# Altium PCB PCB1.PcbDoc (part 1 of 2)
Units mm, origin at the board's own origin, x right, y up, seen from the top; angles counter-clockwise.
Board outline 100 x 100 mm, 2 copper layers (Top Layer, Bottom Layer); 126 components, 105 nets, 401 pads, 405 vias.
Unrouted connection lines stored in the file: 72.
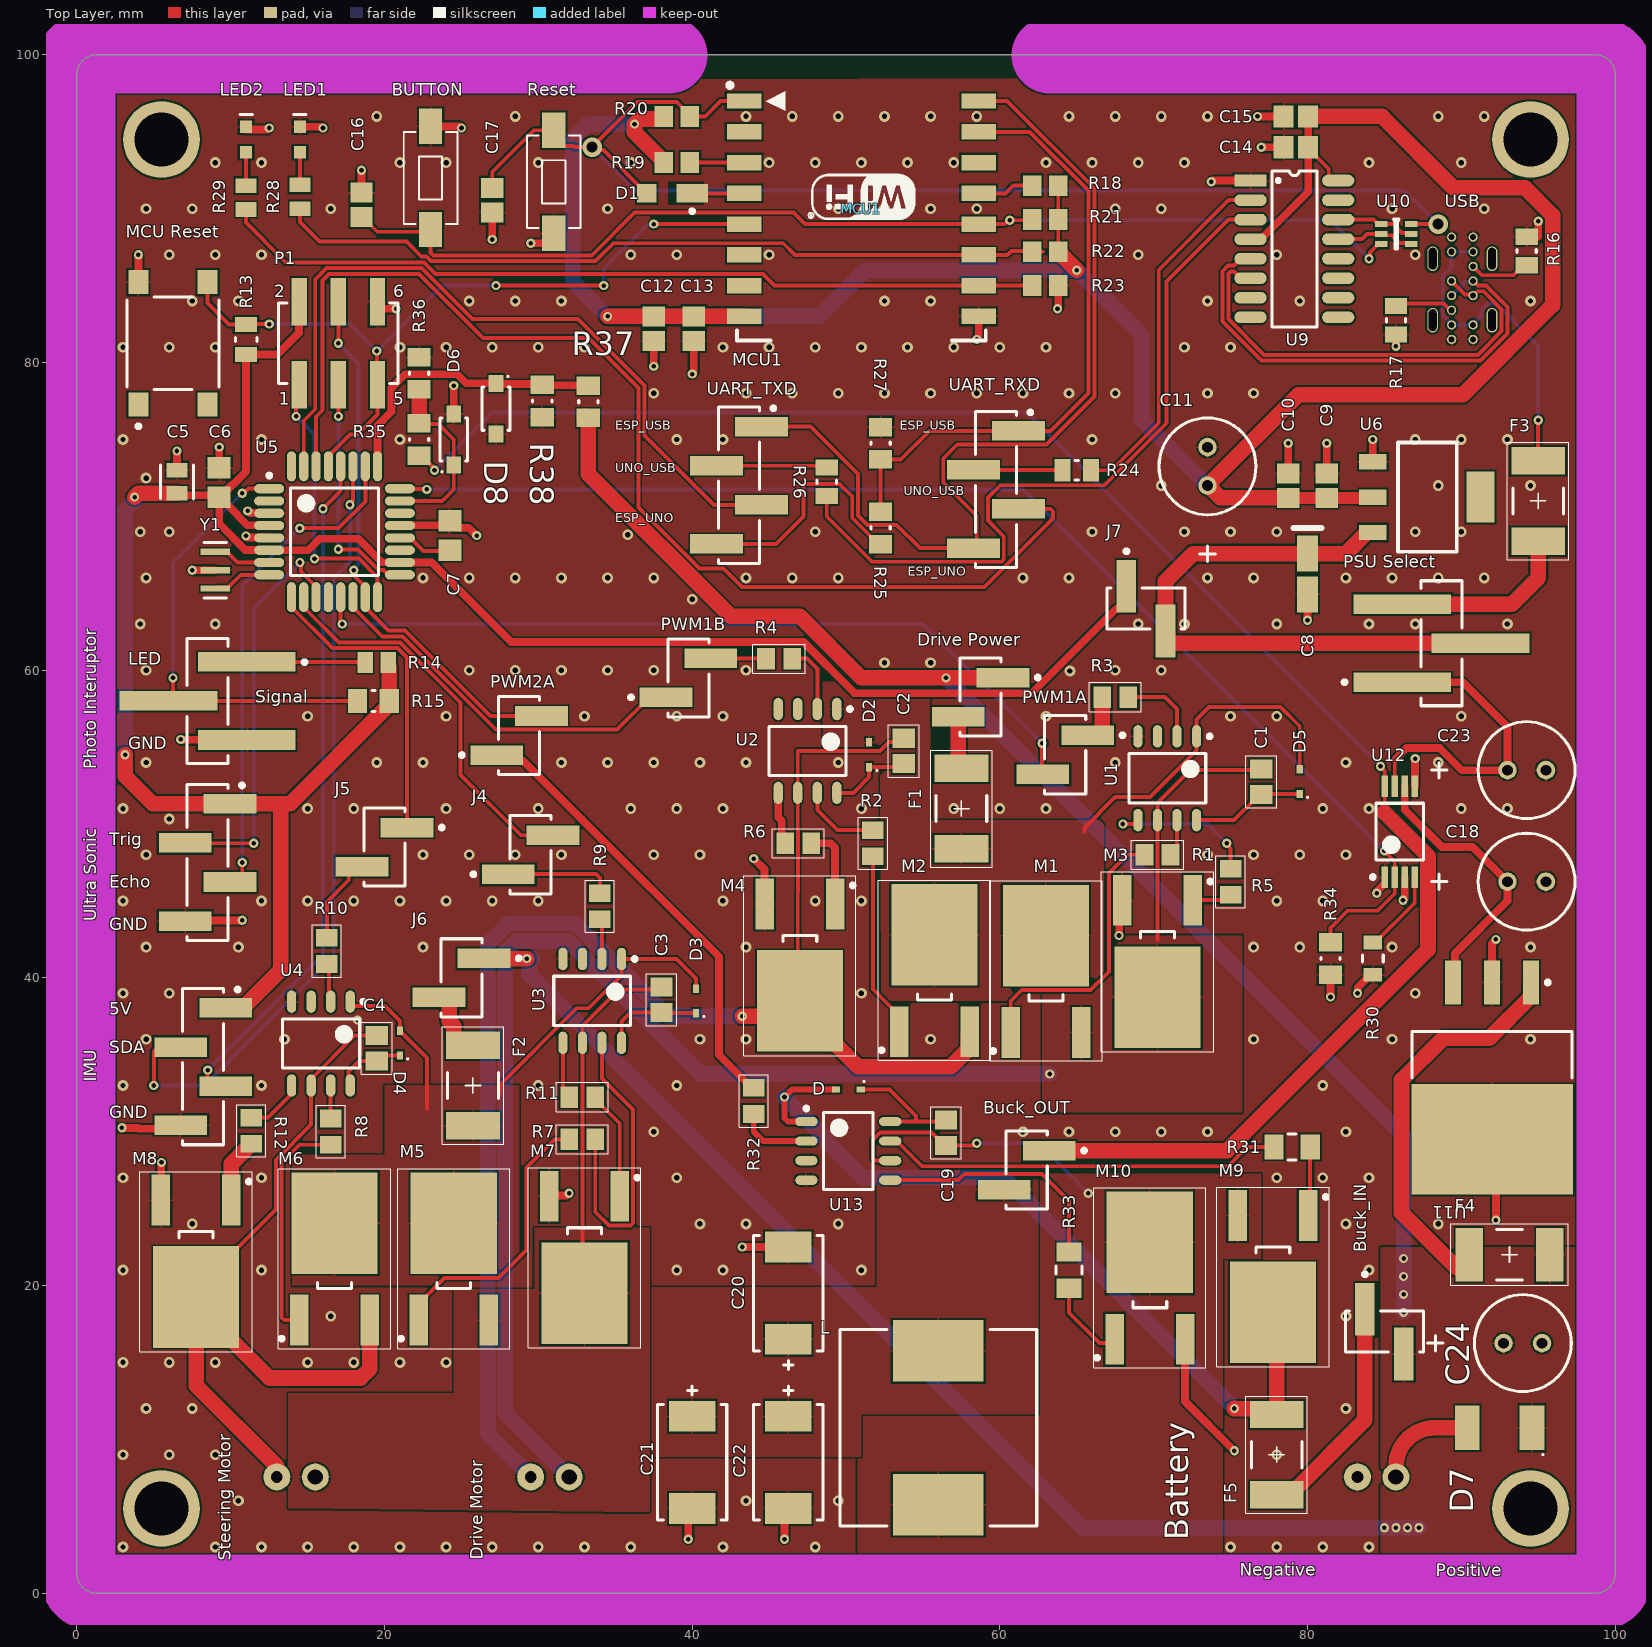
[diagram p0: Top Layer view]
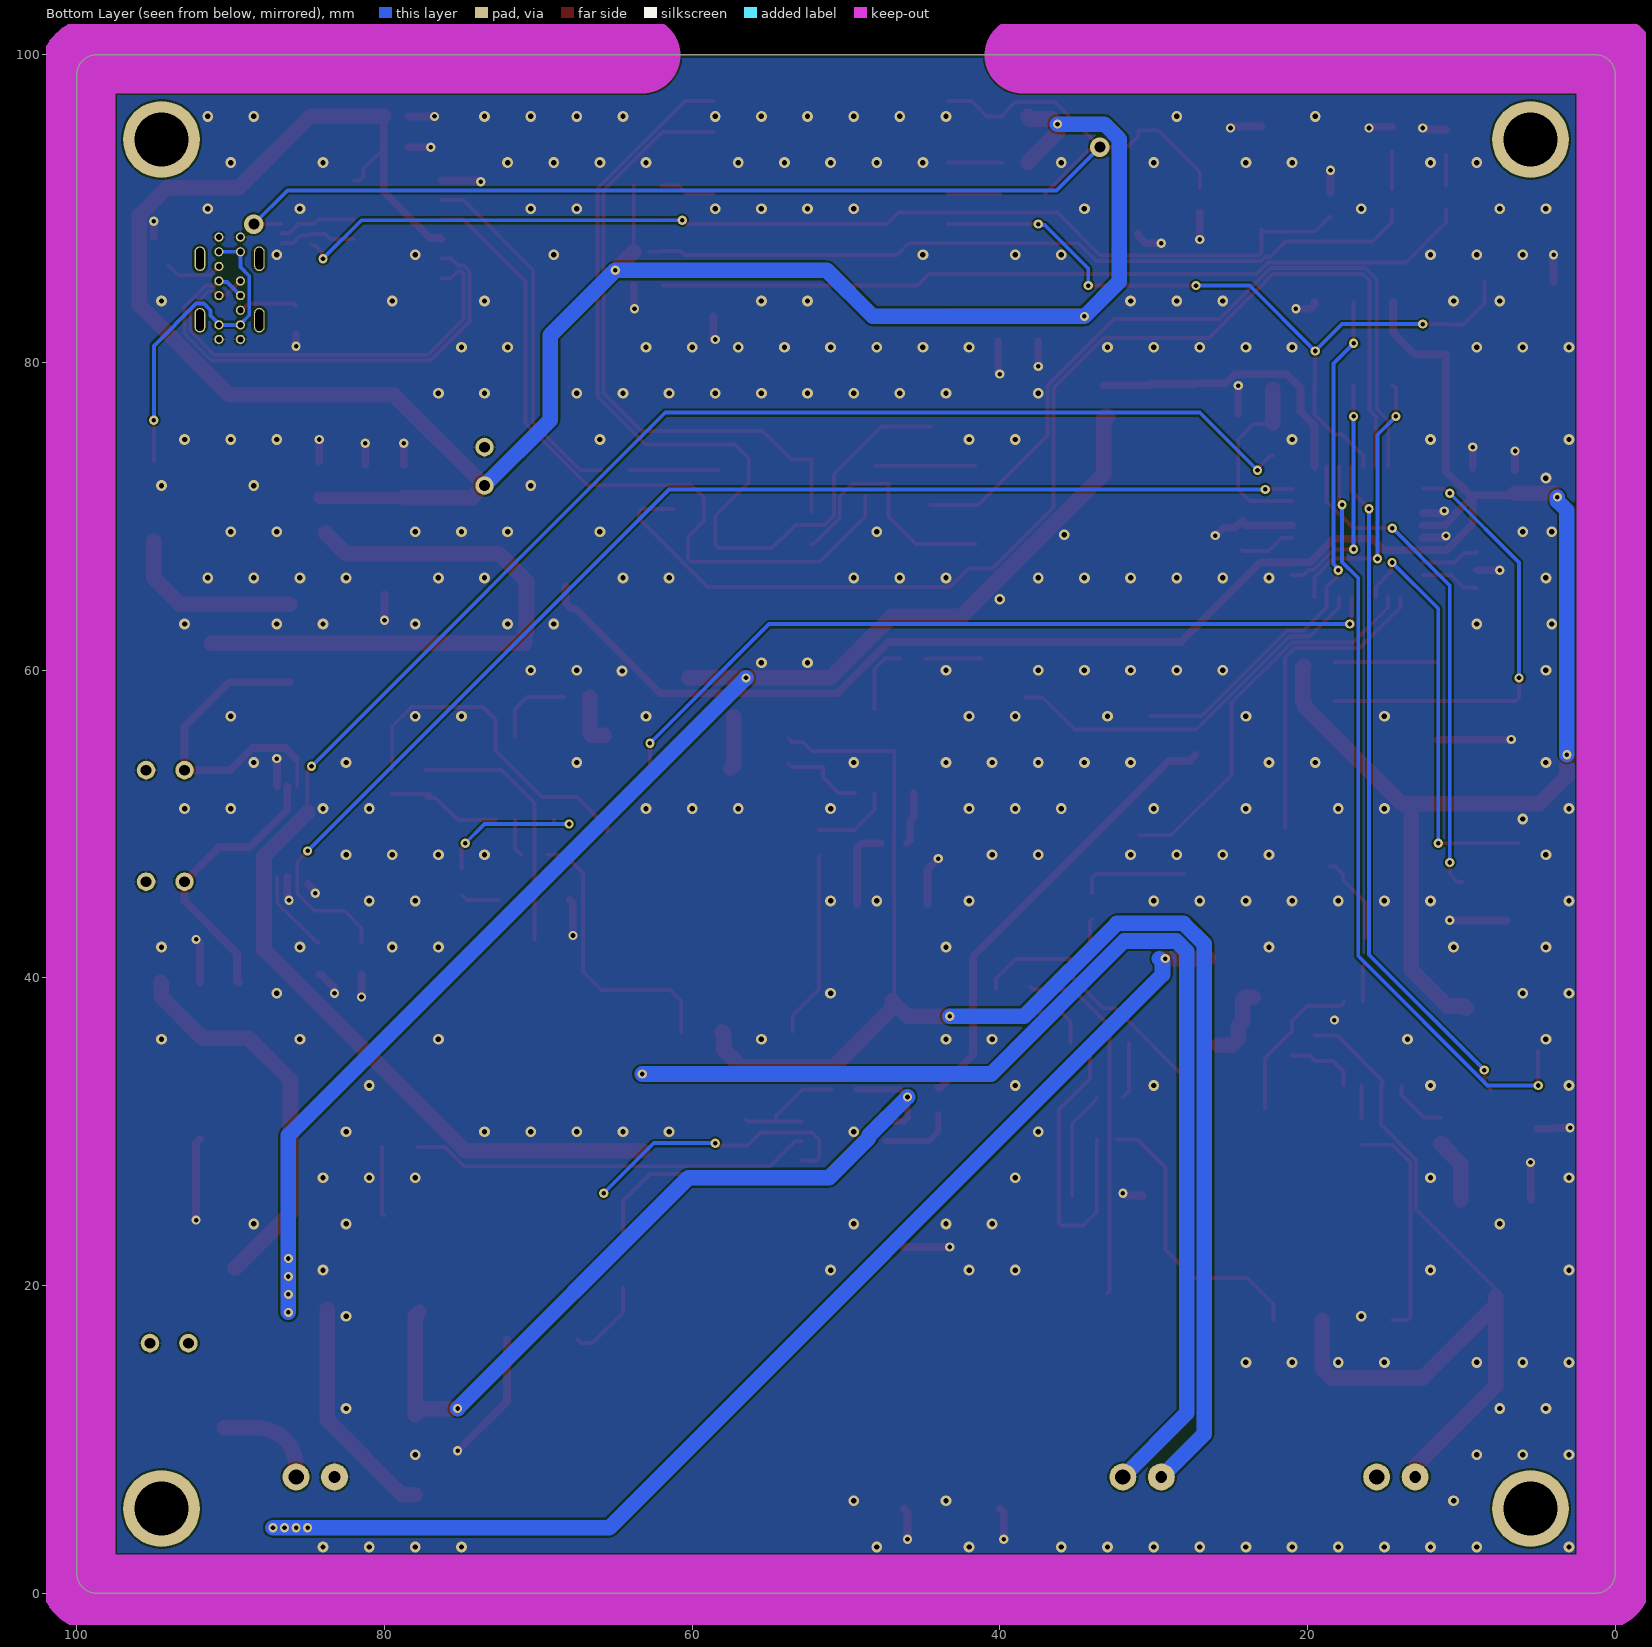
[diagram p1: Bottom Layer view, seen from below]
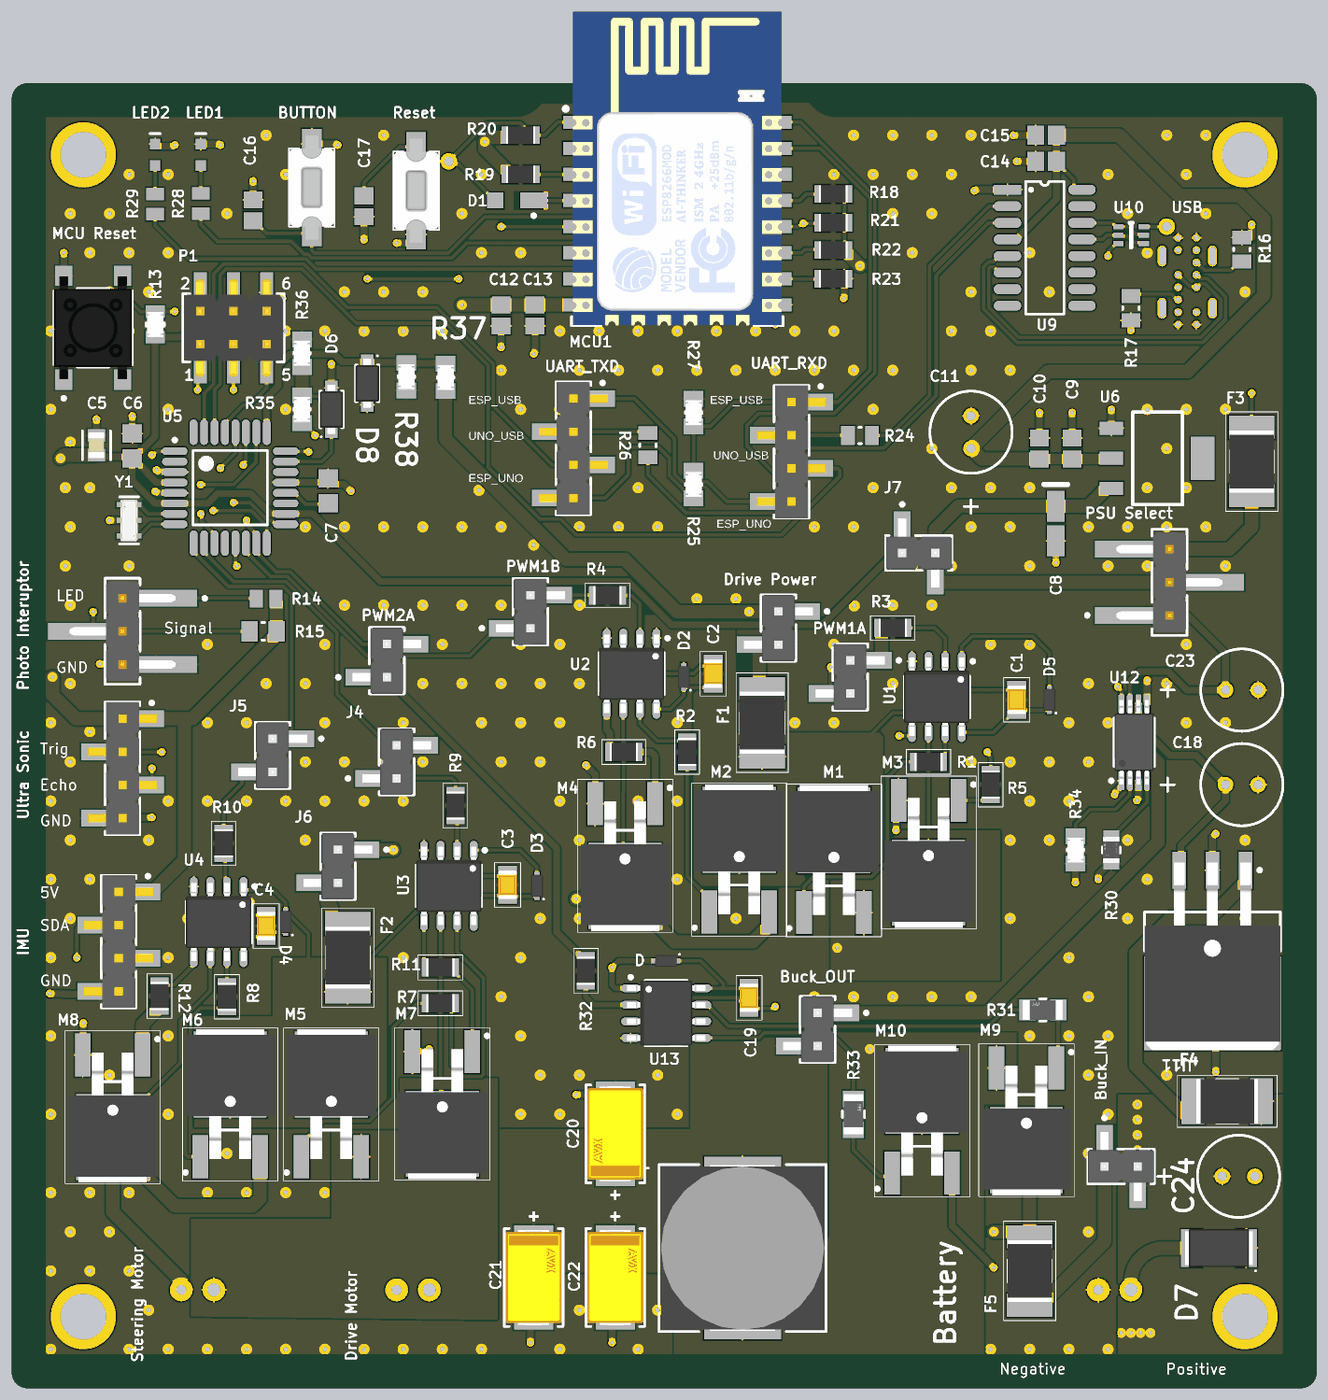
[diagram p3: 3D render of the assembled board from above, using the file's embedded part models]

## Layer stack, top to bottom
Top Solder: solder mask 0.0102, Solder Resist, Dk 3.5
Top Layer: signal copper 0.0356
Dielectric 1: dielectric 0.32, FR-4, Dk 4.8
Bottom Layer: signal copper 0.0356
Bottom Solder: solder mask 0.0102, Solder Resist, Dk 3.5

## Board outline
0,1.27 0,98.73 cw(c1.27,98.73) 1.27,100 98.73,100 cw(c98.73,98.73) 100,98.73 100,1.27 cw(c98.73,1.27) 98.73,0 1.27,0 cw(c1.27,1.27)

## Design rules (kind name [scope] priority, off if disabled: settings)
BoardOutlineClearance [All] p1: gap=0.2 ignorepadtopadclearanceinfootprint=FALSE
Clearance [All] p1: gap=0.127 ignorepadtopadclearanceinfootprint=FALSE except(0.25: Arc-Hole Track-Hole SMDPad-Hole THPad-Hole Via-Hole Fill-Hole Poly-Hole Region-Hole Text-Hole)
ComponentClearance [All] p1: gap=0.127 collisioncheckmode=3 verticalgap=0.127 showdistances=TRUE
DiffPairsRouting [All] p1: maxlimit=0.254 minlimit=0.127 mostfreqgap=0.127 toplayer_minwidth=0.127 toplayer_maxwidth=25.4 toplayer_prefwidth=0.127 bottomlayer_minwidth=0.127 bottomlayer_maxwidth=25.4 bottomlayer_prefwidth=0.127 maxuncoupledlength=12.7
Height [All] p1: minheight=0 maxheight=1816.048 prefheight=12.7
HoleSize [All] p1: absolutevalues=TRUE maxlimit=6.3 minlimit=0.3 maxpercent=80.000 minpercent=20.000
HoleToHoleClearance [All] p1: gap=0.25 allowstackedmicrovias=FALSE
MinimumAnnularRing [All] p1: minimumring=0.076
MinimumSolderMaskSliver [All] p1: minsoldermaskwidth=0
PlaneClearance [All] p1: clearance=0.127
PlaneConnect PlaneConnectPowerPads [InPadClass('PowerPads')] p1: planeconnectstyle=Direct reliefexpansion=0.508 reliefentries=4 reliefconductorwidth=0.254 reliefairgap=0.254
PlaneConnect [All] p2: pad.planeconnectstyle=Relief pad.reliefexpansion=0.3 pad.reliefentries=4 pad.reliefconductorwidth=0.127 pad.reliefairgap=0.127 via.planeconnectstyle=Direct via.reliefexpansion=0.3 via.reliefentries=4 via.reliefconductorwidth=0.127 via.reliefairgap=0.127
PolygonConnect PolygonConnectPowerPads [All vs (InPadClass('PowerPads'))] p1: connectstyle=Direct reliefconductorwidth=0.254 reliefentries=4 polygonreliefangle="90 Angle" airgapwidth=0.254
PolygonConnect [All] p2: thpad.connectstyle=Relief thpad.reliefconductorwidth=0.127 thpad.reliefentries=4 thpad.polygonreliefangle="90 Angle" thpad.airgapwidth=0.127 smdpad.connectstyle=Relief smdpad.reliefconductorwidth=0.127 smdpad.reliefentries=4 smdpad.polygonreliefangle="90 Angle" smdpad.airgapwidth=0.127 via.connectstyle=Direct via.reliefconductorwidth=0.127 via.reliefentries=4 via.polygonreliefangle="90 Angle" via.airgapwidth=0.127
RoutingVias [All] p1: holewidth=0.3 width=0.6 viastyle="Through Hole" minholewidth=0.3 minwidth=0.6 maxholewidth=0.6 maxwidth=6.6
SilkToSilkClearance [All] p1: silktosilkclearance=0
SilkToSolderMaskClearance [IsPad] p1: minsilkscreentomaskgap=0.127 clearancetoexposedcopper=TRUE
SolderMaskExpansion [All] p1: expansion=0.075 istentingtop=FALSE
Width [All] p1: maxlimit=25.4 minlimit=0.127 preferedwidth=0.127 minimp=50.000000 maximp=50.000000 favimp=50.000000
20 further rules are at their usual default settings.

## Classes and differential pairs
component class Top_Level: "PSU Select"
component class Designator: BUTTON C8 C9 C10 C11 C12 C13 C14 C15 C16 C17 D1 F3 LED1 LED2 MCU1 R16 R17 R18 R19 R20 R21 R22 R23 R24 R25 R26 R27 R28 R29 Reset U6 U9 U10 UART_RXD UART_TXD USB
differential pair USB_D: +USB_D_P -USB_D_N

## Components (designator, comment, footprint, x,y, rotation, side; value= is the part's Value field where it differs from the comment)
Battery "Screw Terminal" "ERM BLOCK 2POS 45DEG 2.5MM PCB" 84.5,7.55 r180 top
Buck_IN "TSM-102-01-T-SV-TR" FP-TSM-102-01-T-SV-TR-MFG 85,17 r0 top
Buck_OUT "TSM-102-01-T-SV-TR" FP-TSM-102-01-T-SV-TR-MFG 61.75,27.5 r270 top
BUTTON "434111050826" 434111050826 23,92 r90 top
C1 "0.1uF" 0805B104K500BD 77,52.75 r90 top
C2 "0.1uF" 0805B104K500BD 53.75,54.75 r90 top
C3 "0.1uF" 0805B104K500BD 38,38.575 r90 top
C4 "0.1uF" 0805B104K500BD 19.5,35.425 r90 top
C5 "C0805C106K8PACTU" FP-C0805C-DG-MFG 6.5,72.25 r90 top value=10uF
C6 "GRM21BR71H104KA01L" CAPC2013X135X45ML10T25 9.25,72.2 r90 top
C7 "GRM21BR71H104KA01L" CAPC2013X135X45ML10T25 24.25,68.75 r90 top
C8 "10uF" KEMT-A-3216-18-2_M 80,66.25 r270 top
C9 "100nF" CAPC2013X88X50NL20T25 81.25,72 r270 top
C10 "10uF" CAPC2013X140X50NL20T25 78.75,72 r270 top
C11 "470uF" ULR477M1AE85RR 73.5,74.5 r270 top
C12 "100nF" CAPC2013X88X50NL20T25 37.5,82.2 r90 top
C13 "10uF" CAPC2013X140X50NL20T25 40.1,82.2 r90 top
C14 "100nF" CAPC2013X88X50NL20T25 79.25,94 r0 top
C15 "10uF" CAPC2013X140X50NL20T25 79.25,96 r0 top
C16 "100nF" CAPC2013X88X50NL20T25 18.5,90.25 r270 top
C17 "100nF" CAPC2013X88X50NL20T25 27,90.55 r90 top
C18 "470uF" ULR477M1AE85RR 95.5,46.25 r180 top
C19 "0.1uF" 0805B104K500BD 56.5,29.925 r270 top
C20 "100uF" FP-TAJD-MFG 46.25,19.5 r270 top
C21 "100uF" FP-TAJD-MFG 40,8.5 r90 top
C22 "100uF" FP-TAJD-MFG 46.25,8.5 r90 top
C23 "470uF" ULR477M1AE85RR 95.5,53.5 r180 top
C24 "470uF" ULR477M1AE85RR 95.25,16.25 r180 top
D "BAS3005B02VH6327XTSA1" BAS3005B02VH6327XTSA1 50.15,32.75 r0 top
D1 "DFLS230L-7" DFLS230L-7 38.525,91 r180 top
D2 "BAS3005B02VH6327XTSA1" BAS3005B02VH6327XTSA1 51.5,54.5 r270 top
D3 "BAS3005B02VH6327XTSA1" BAS3005B02VH6327XTSA1 40.25,38.5 r270 top
D4 "BAS3005B02VH6327XTSA1" BAS3005B02VH6327XTSA1 21,35.75 r270 top
D5 "BAS3005B02VH6327XTSA1" BAS3005B02VH6327XTSA1 79.5,52.75 r270 top
D6 "BZT52-C5V1_R1_00001" BZT52-C5V1_R1_00001 24.5,75 r90 top
D7 "STPS2L25" STPS2L25 92.5,10.75 r180 top
D8 "BZT52-C5V1_R1_00001" BZT52-C5V1_R1_00001 27.25,77 r270 top
"Drive Motor" "Screw Terminal" "ERM BLOCK 2POS 45DEG 2.5MM PCB" 30.75,7.55 r180 top
"Drive Power" "TSM-102-01-T-SV-TR" FP-TSM-102-01-T-SV-TR-MFG 58.75,58.25 r270 top
F1 "1A" 0ZCG0050AF2C 57.5,51 r270 top
F2 "1A" 0ZCG0050AF2C 25.75,33 r270 top
F3 "1A" 0ZCG0050AF2C 95,71 r90 top
F4 "1A" 0ZCG0050AF2C 93.135,22 r180 top
F5 "1A" 0ZCG0050AF2C 78,9 r90 top
IMU "TSM-104-01-L-SV-P-TR" FP-TSM-104-01-L-SV-P-TR-MFG 8.21,34.23 r90 top
J4 "TSM-102-01-T-SV-TR" FP-TSM-102-01-T-SV-TR-MFG 29.5,48 r90 top
J5 "TSM-102-01-T-SV-TR" FP-TSM-102-01-T-SV-TR-MFG 20,48.5 r270 top
J6 "TSM-102-01-T-SV-TR" FP-TSM-102-01-T-SV-TR-MFG 25,40 r270 top
J7 "TSM-102-01-T-SV-TR" FP-TSM-102-01-T-SV-TR-MFG 69.5,64 r0 top
L "220u" SRR1280-221K 56,10.75 r90 top
LED1 "SMLE12BC7TT86" ROHM-SMLE12BC7TT86_V 14.5,94.5 r90 top
LED2 "SMLE12BC7TT86" ROHM-SMLE12BC7TT86_V 11,94.5 r90 top
M1 "NMOS" AOD424 63,40.45 r90 top
M2 "NMOS" AOD424 55.75,40.5 r90 top
M3 "NMOS" AOD424 70.25,41.05 r270 top
M4 "NMOS" AOD424 47,40.8 r270 top
M5 "NMOS" AOD424 24.5,21.75 r90 top
M6 "NMOS" AOD424 16.75,21.75 r90 top
M7 "NMOS" AOD424 33,21.8 r270 top
M8 "NMOS" AOD424 7.75,21.55 r270 top
M9 "NMOS" AOD424 77.75,20.55 r270 top
M10 "NMOS" AOD424 69.75,20.5 r90 top
MCU1 "ESP8266 ESP-12F" "ESP8266 ESP_12F - DANON NOSPI" 51,90 r0 top
"MCU Reset" "PTS645SM43SMTR92LFS" FP-PTS645SM43SMTR92LFS-MFG 6.25,81.25 r90 top
P1 "61030621121" 61030621121 17,81.25 r0 top
"Photo Interuptor" "GBC03SABN-M30" FP-GBC03SABN-M30-MFG 8.5,58 r270 top
"PSU Select" "GBC03SABN-M30" FP-GBC03SABN-M30-MFG 88.71,61.75 r90 top
PWM1A "TSM-102-01-T-SV-TR" FP-TSM-102-01-T-SV-TR-MFG 64.25,54.5 r270 top
PWM1B "TSM-102-01-T-SV-TR" FP-TSM-102-01-T-SV-TR-MFG 39.75,59.5 r90 top
PWM2A "TSM-102-01-T-SV-TR" FP-TSM-102-01-T-SV-TR-MFG 28.75,55.75 r90 top
R1 "10R" RNCP0805FTD10R0 70.25,48 r180 top
R2 "10R" RNCP0805FTD10R0 51.75,48.75 r270 top
R3 "1K" RNCP0805FTD10R0 67.5,58.25 r0 top
R4 "1K" RNCP0805FTD10R0 45.65,60.75 r180 top
R5 "10R" RNCP0805FTD10R0 75,46.25 r270 top
R6 "10R" RNCP0805FTD10R0 46.9,48.75 r0 top
R7 "10R" RNCP0805FTD10R0 32.85,29.5 r180 top
R8 "10R" RNCP0805FTD10R0 16.5,30 r270 top
R9 "1K" RNCP0805FTD10R0 34,44.65 r270 top
R10 "1K" RNCP0805FTD10R0 16.25,41.75 r90 top
R11 "10R" RNCP0805FTD10R0 32.85,32.25 r0 top
R12 "10R" RNCP0805FTD10R0 11.333,30.058 r270 top
R13 "CRCW080510K0FKEA" FP-CRCW0805-e3-MFG 11,81.5 r270 top
R14 "ERA6AEB181V" RESC2013X60X40LL20T25 19.5,60.5 r0 top
R15 "SG73S2ATTD2201F" RESC2013X60X30ML20T20 19.275,58 r0 top
R16 "5K1" RESC2013X50X30NL20T20 94.25,87.25 r270 top
R17 "5K1" RESC2013X50X30NL20T20 85.75,82.75 r90 top
R18 "10k" RESC2013X60X40NL20T25_A 62.95,91.5 r180 top
R19 "12k" RESC2013X60X40NL20T25_A 39,93 r0 top
R20 "12k" RESC2013X60X40NL20T25_A 39,96 r0 top
R21 "12k" RESC2013X60X40NL20T25_A 62.95,89.3 r180 top
R22 "12k" RESC2013X60X40NL20T25_A 62.95,87.2 r180 top
R23 "12k" RESC2013X60X40NL20T25_A 62.95,85 r180 top
R24 "470" RESC2013X50X30NL20T20 65,73 r0 top
R25 "CRCW080510K0FKEA" FP-CRCW0805-e3-IPC_A 52.25,69.25 r270 top
R26 "470" RESC2013X50X30NL20T20 48.75,72.25 r270 top
R27 "CRCW080510K0FKEA" FP-CRCW0805-e3-IPC_A 52.25,74.75 r270 top
R28 "ERJ-6GEYJ200V" RESC2013X70X40LL20T20 14.5,90.775 r270 top
R29 "ERJ-6GEYJ200V" RESC2013X70X40LL20T20 11,90.725 r270 top
R30 "RT0805DRD07200RL" FP-RT0805-MFG 84.25,41.25 r90 top value=200Ω
R31 "10" FP-RNCP1206-IPC_C 79,29 r0 top
R32 "1K" RNCP0805FTD10R0 44,32 r90 top
R33 "10" FP-RNCP1206-IPC_C 64.5,21 r270 top
R34 "CRCW080510K0FKEA" FP-CRCW0805-e3-IPC_A 81.5,41.25 r90 top
R35 "CRCW080510K0FKEA" FP-CRCW0805-e3-IPC_A 22.25,75 r270 top
R36 "CRCW080510K0FKEA" FP-CRCW0805-e3-IPC_A 22.25,79.301 r270 top
R37 "CRCW080510K0FKEA" FP-CRCW0805-e3-IPC_A 33.25,77.449 r270 top
R38 "CRCW080510K0FKEA" FP-CRCW0805-e3-IPC_A 30.25,77.5 r90 top
Reset "434111050826" 434111050826 31,91.75 r270 top
"Steering Motor" "Screw Terminal" "ERM BLOCK 2POS 45DEG 2.5MM PCB" 14.25,7.55 r180 top
U1 "IR2302" IR2302S 70.885,52.975 r270 top
U2 "IR2302" IR2302S 47.5,54.75 r270 top
U3 "IR2302" IR2302S 33.5,38.5 r270 top
U4 "IR2302" IR2302S 15.865,35.725 r270 top
U5 "ATmega328P-AU" 32A_M 16.75,69 r0 top
U6 "AMS1117-3.3" SOT-223 84.25,73.55 r270 top
U9 "CH340C" SOP16_50Mil_PinPitch 76.3,91.83 r0 top
U10 "UMH3N" UMH3N 84.8,89 r0 top
U11 "LM2940CS-5.0/NOPB" KTT0003B_N 92,33.5 r270 top
U12 "TPS2110APWR" PW0008A_N 86,49.5 r90 top
U13 "IR2302" IR2302S 50.15,28.75 r0 top
UART_RXD "TSM-104-01-L-SV-P-TR" FP-TSM-104-01-L-SV-P-TR-MFG 59.75,71.75 r90 top
UART_TXD "TSM-104-01-L-SV-P-TR" FP-TSM-104-01-L-SV-P-TR-MFG 43.039,72.02 r90 top
"Ultra Sonic" "TSM-104-01-L-SV-P-TR" FP-TSM-104-01-L-SV-P-TR-MFG 8.5,47.5 r90 top
USB "USBC_VERTICAL" USBC_Vertical 90.77,81.5 r90 top
Y1 "CSTNE20M0V530000R0" FP-CSTNE16M0V530000R0-MFG 9,66.5 r270 top

## Footprints (in the part's own frame and the unit in brackets; to place one, negate y for a bottom-side part, rotate by r counter-clockwise, add the part's x,y. Pads: shape width x height; smd on the part's side, far side on the other; paste and mask are expansions set on the pad)
0ZCG0050AF2C [mm] "FUSE-0.5AH-1AT"
  rect 1.78x3.5 smd: 1(-2.615,0) 2(2.615,0)
  silkscreen extent -3.81,-2 3.81,2, body extent -2.36,-1.71 2.36,1.71, height 0.75
32A_M [mm] "Thin QFP, 32-Leads, Body 7x7mm, Pitch 0.8mm, IPC Low Density"
  oval 1.95x0.6 smd: 1(-4.25,2.8) 2(-4.25,2) 3(-4.25,1.2) 4(-4.25,0.4) 5(-4.25,-0.4) 6(-4.25,-1.2) 7(-4.25,-2) 8(-4.25,-2.8) 17(4.25,-2.8) 18(4.25,-2) 19(4.25,-1.2) 20(4.25,-0.4) 21(4.25,0.4) 22(4.25,1.2) 23(4.25,2) 24(4.25,2.8)
  oval 0.6x1.95 smd: 9(-2.8,-4.25) 10(-2,-4.25) 11(-1.2,-4.25) 12(-0.4,-4.25) 13(0.4,-4.25) 14(1.2,-4.25) 15(2,-4.25) 16(2.8,-4.25) 25(2.8,4.25) 26(2,4.25) 27(1.2,4.25) 28(0.4,4.25) 29(-0.4,4.25) 30(-1.2,4.25) 31(-2,4.25) 32(-2.8,4.25)
  silkscreen extent -4.37,-2.85 2.85,3.77, body extent -3.5,-3.5 3.5,3.5, height 1.2
0805B104K500BD [mm] "0.1uF_CER_CAP"
  rect 1.25x1.45 smd: 1(-0.825,0) 2(0.825,0)
  silkscreen extent -1.7,-1 1.7,1, body extent -1.1,-0.72 1.1,0.72, height 1
61030621121 [mm] "Pin Header, pitch 2.54 mm, SMD, Vertical, dual row, 6p"
  rect 1x3.1 smd: 1(-2.54,-2.7) 2(-2.54,2.7) 3(0,-2.7) 4(0,2.7) 5(2.54,-2.7) 6(2.54,2.7)
  silkscreen extent -3.89,-2.62 3.89,2.62, body extent -3.81,-3.75 3.81,3.75, height 9.62
434111050826 [mm] "6.0*3.5mm vertical type, SMD, height 5.0mm, white actuator, 260gf, T&R"
  rect 2.3x1.5 smd: 1(-3.35,0) 2(3.35,0)
  silkscreen extent -3,-1.75 3,1.75, body extent -4,-1.75 4,1.75, height 5
AOD424 [mm] "NMOS-20V-35A"
  rect 6.6x5.6 smd: 1(2.3,0)
  rect 3.3x1.2 smd: 2(-4,2.29) 3(-4,-2.29)
  silkscreen extent -5.85,-3.65 5.85,3.65, body extent -4.18,-3.4 5.76,3.4, height 2.4
BAS3005B02VH6327XTSA1 [mm]
  rect 0.55x0.4 smd: 1(-0.8,0) 2(0.8,0)
  silkscreen extent 0.97,0.46 1.07,0.56, body extent -0.85,-0.45 0.85,0.45, height 0.6
BZT52-C5V1_R1_00001 [mm] "SODFL, 2-Leads, Body 1.60x3.75mm, IPC Medium Density"
  rect 1.1x0.95 smd: 1(-1.65,0) 2(1.65,0)
  silkscreen extent -2.15,-0.9 1.4,0.9, body extent -1.88,-0.9 1.88,0.9, height 1.35
CAPC2013X88X50NL20T25 [mm] "Chip Capacitor, 2-Leads, Body 2.00x1.25mm, IPC Medium Density"
  rect 1.3x1.45 smd: 1(-0.8,0) 2(0.8,0)
  body extent -1.1,-0.72 1.1,0.72, height 0.88
CAPC2013X135X45ML10T25 [mm] "Chip Capacitor, 2-Leads, Body 2.10x1.35mm, IPC Low Density"
  rect 1.4x1.5 smd: 1(-0.95,0) 2(0.95,0)
  body extent -1.05,-0.67 1.05,0.67, height 1.35
CAPC2013X140X50NL20T25 [mm] "Chip Capacitor, 2-Leads, Body 2.00x1.25mm, IPC Medium Density"
  rect 1.3x1.45 smd: 1(-0.8,0) 2(0.8,0)
  body extent -1.1,-0.72 1.1,0.72, height 1.4
DFLS230L-7 [mm] "SOD, 2-Leads, Body 2.7x1.65mm"
  rect 1.25x1.22 smd: 1(1.475,0)
  rect 2.05x1.22 smd: 2(-1.475,0)
  silkscreen extent -1.6,1.04 -1.35,1.28, body extent -1.35,-0.82 1.35,0.82, height 0.98
"ERM BLOCK 2POS 45DEG 2.5MM PCB" [mm]
  round 1.75 hole 1: 1(-1.25,0)
  round 1.75 hole 0.762: 2(1.25,0)
  body extent -2.5,-5 2.5,7.5, height 13.1
"ESP8266 ESP_12F - DANON NOSPI" [mm] "ESP8266 ESP-12"
  rect 2.25x1 smd: 1(-7.625,7) 2(-7.625,5) 3(-7.625,3) 4(-7.625,1) 5(-7.625,-1) 6(-7.625,-3) 7(-7.625,-5) 8(-7.625,-7) 15(7.625,-7) 16(7.625,-5) 17(7.625,-3) 18(7.625,-1) 19(7.625,1) 20(7.625,3) 21(7.625,5) 22(7.625,7)
  silkscreen extent -8.7,-8.57 8.08,8.17, body extent -8.01,-8.57 8.01,15.46, height 3.82
FP-C0805C-DG-MFG [mm]
  rect 0.95x1.35 smd paste+0 mask+0: 1(-0.75,0) 2(0.75,0)
  silkscreen extent -1.11,-1.08 1.1,1.07, body extent -1.4,-0.85 1.4,0.85, height 0.25
FP-CRCW0805-e3-IPC_A [mil]
  rect 47.5x59.38 smd paste+0 mask+0: 1(-41.37,0) 2(41.37,0)
  silkscreen extent -3,-25 3,25, body extent -85,-49 85,49, height 10
FP-CRCW0805-e3-MFG [mm]
  rect 0.95x1.45 smd paste+0 mask+0: 1(-0.975,0) 2(0.975,0)
  silkscreen extent -0.13,-0.7 0.13,0.7, body extent -1.55,-0.82 1.55,0.82, height 0.25
FP-CSTNE16M0V530000R0-MFG [mm]
  rect 0.4x1.9 smd paste+0 mask+0: 1(1.2,0) 2(0,0) 3(-1.2,0)